# Altium PCB STM32F7_CoreBoard.PcbDoc (part 5 of 8)
Units mm, origin at the board's own origin, x right, y up, seen from the top; angles counter-clockwise.
Board outline 65 x 50 mm, 6 copper layers (L1, L2, L3, L4, L5, L6), stack 1.597 mm thick; 114 components, 192 nets, 736 pads, 791 vias.
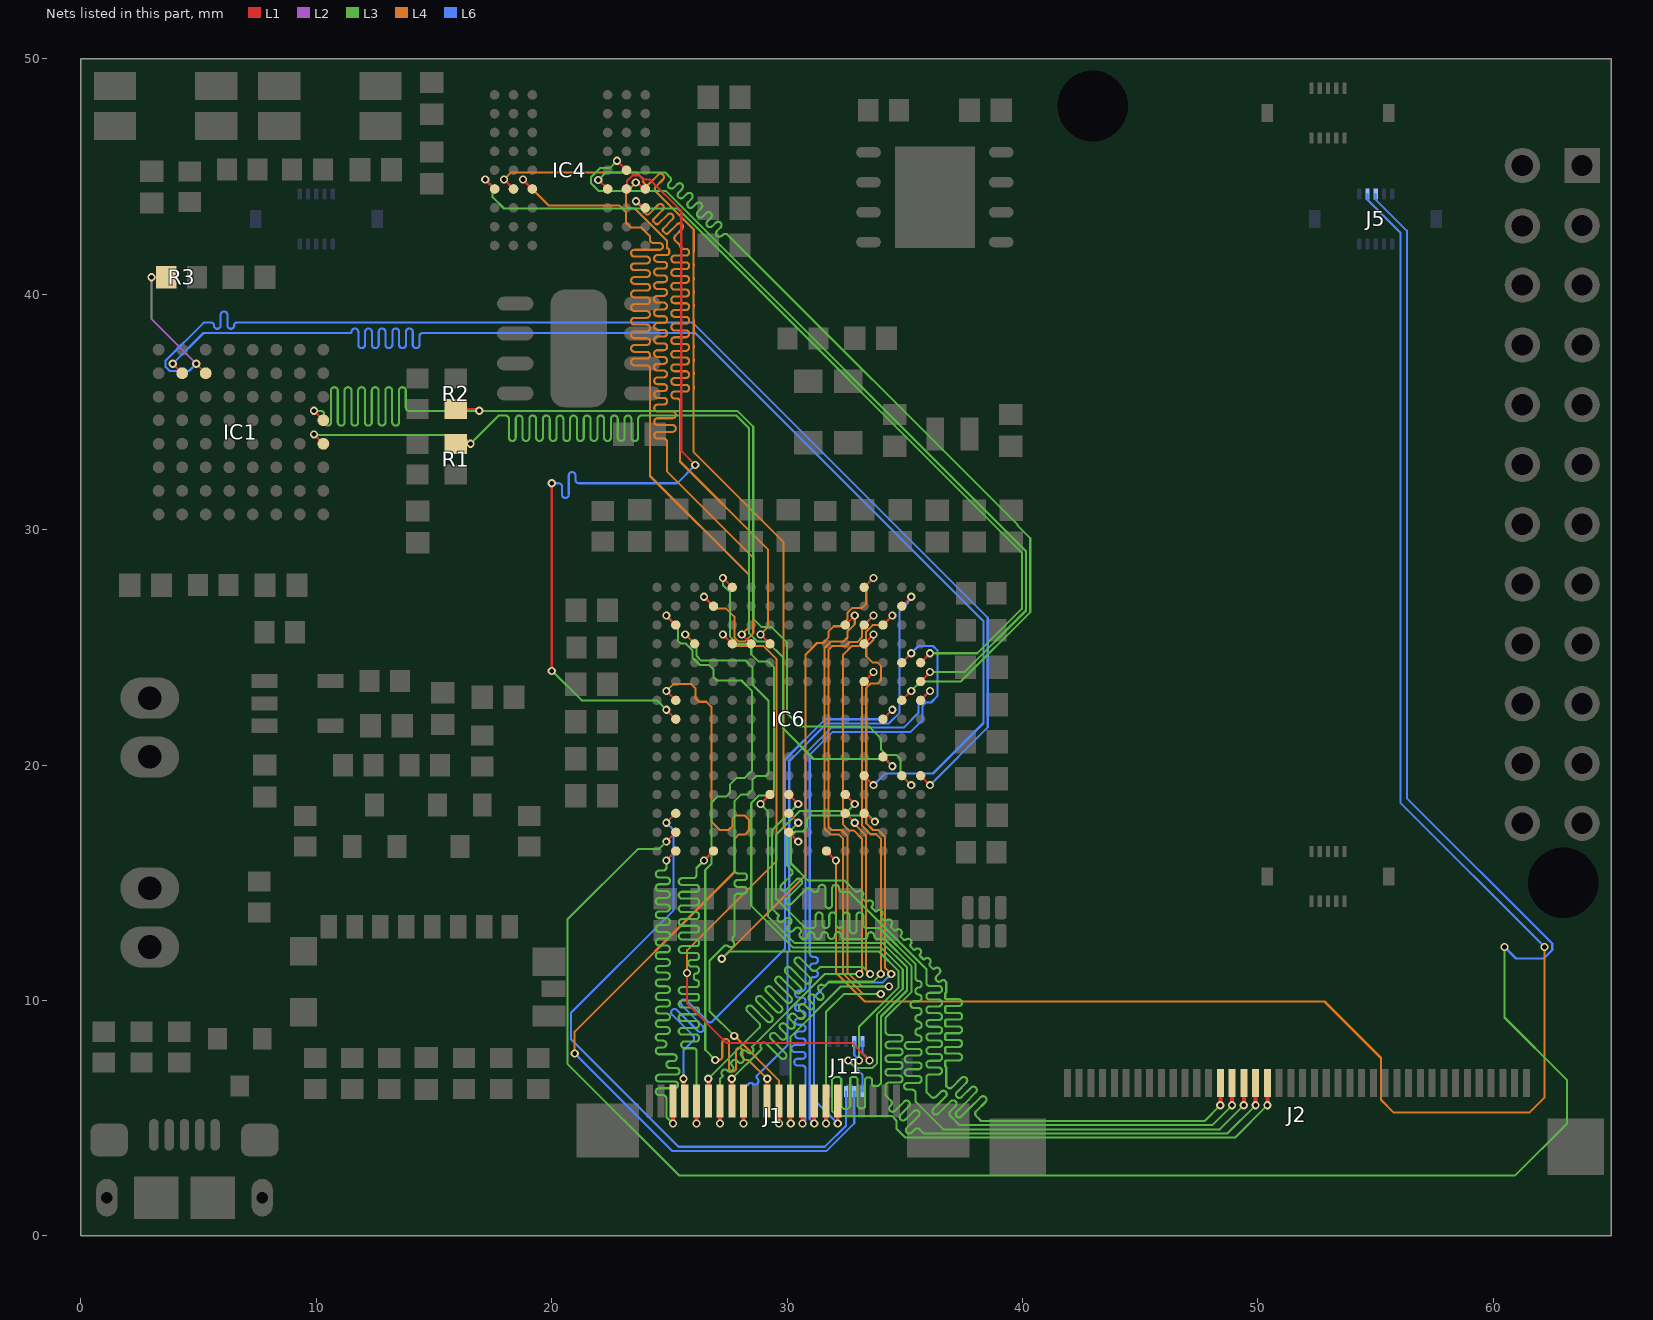
[diagram p9: the nets of this part, all layers, seen from the top]

## Via types
v1: diameter 0.35, hole 0.2, L1 to L6, tented both sides, 737 vias
v2: diameter 0.5, hole 0.25, L1 to L6, tented both sides, 20 vias
v3: diameter 0.4, hole 0.2, L1 to L6, tented both sides, 16 vias
v4: diameter 0.5, hole 0.2, L1 to L6, 12 vias
v5: diameter 0.5, hole 0.5, L1 to L6, 4 vias
v6: diameter 0.6, hole 0.3, L1 to L6, tented both sides, 2 vias

## Nets (pads, with @x,y where several pads share a name; then routed paths per layer and width w, separated by ;. In a path a pad name is that pad's centre, name@x,y a point inside that pad or via, vN(x,y) a via of type N, cw(c..) or ccw(c..) an arc to the next point about the centre after c; other vN are vias at no path point) (continued)
DCMI_D1: IC6.P15 J1.3 | length 29.7
  L1 w0.089: v1(24.87,15.952) IC6.P15@25.27,16.352
  L1 w0.169: v1(25.15,4.775) J1.3@25.15,5.725
  L3 w0.089: v1(24.87,15.952) 24.87,15.807 24.87,15.663 cw(c24.726,15.663) 24.726,15.518 24.564,15.518 ccw(c24.564,15.374) 24.419,15.374 ccw(c24.564,15.374) 24.564,15.229 24.87,15.229 24.878,15.229 cw(c24.878,15.085) 25.022,15.085 cw(c24.878,15.085) 24.878,14.941 24.87,14.941 24.564,14.941 ccw(c24.564,14.796) 24.419,14.796 ccw(c24.564,14.796) 24.564,14.652 24.87,14.652 24.878,14.652 cw(c24.878,14.507) 25.022,14.507 cw(c24.878,14.507) 24.878,14.363 24.87,14.363 24.564,14.363 ccw(c24.564,14.218) 24.419,14.218 ccw(c24.564,14.218) 24.564,14.074 24.87,14.074 24.878,14.074 cw(c24.878,13.929) 25.022,13.929 cw(c24.878,13.929) 24.878,13.785 24.87,13.785 24.564,13.785 ccw(c24.564,13.64) 24.419,13.64 ccw(c24.564,13.64) 24.564,13.496 24.87,13.496 24.878,13.496 cw(c24.878,13.352) 25.022,13.352 cw(c24.878,13.352) 24.878,13.207 24.87,13.207 24.564,13.207 ccw(c24.564,13.063) 24.419,13.063 ccw(c24.564,13.063) 24.564,12.918 24.87,12.918 24.878,12.918 cw(c24.878,12.774) 25.022,12.774 cw(c24.878,12.774) 24.878,12.629 24.87,12.629 24.564,12.629 ccw(c24.564,12.485) 24.419,12.485 ccw(c24.564,12.485) 24.564,12.34 24.87,12.34 24.878,12.34 cw(c24.878,12.196) 25.022,12.196 cw(c24.878,12.196) 24.878,12.052 24.87,12.052 24.564,12.052 ccw(c24.564,11.907) 24.419,11.907 ccw(c24.564,11.907) 24.564,11.763 24.87,11.763 24.878,11.763 cw(c24.878,11.618) 25.022,11.618 cw(c24.878,11.618) 24.878,11.474 24.87,11.474 24.564,11.474 ccw(c24.564,11.329) 24.419,11.329 ccw(c24.564,11.329) 24.564,11.185 24.87,11.185 24.878,11.185 cw(c24.878,11.04) 25.022,11.04 cw(c24.878,11.04) 24.878,10.896 24.87,10.896 24.564,10.896 ccw(c24.564,10.752) 24.419,10.752 ccw(c24.564,10.752) 24.564,10.607 24.87,10.607 24.878,10.607 cw(c24.878,10.463) 25.022,10.463 cw(c24.878,10.463) 24.878,10.318 24.87,10.318 24.564,10.318 ccw(c24.564,10.174) 24.419,10.174 ccw(c24.564,10.174) 24.564,10.029 24.87,10.029 24.878,10.029 cw(c24.878,9.885) 25.022,9.885 cw(c24.878,9.885) 24.878,9.74 24.87,9.74 24.564,9.74 ccw(c24.564,9.596) 24.419,9.596 ccw(c24.564,9.596) 24.564,9.451 24.87,9.451 24.878,9.451 cw(c24.878,9.307) 25.022,9.307 cw(c24.878,9.307) 24.878,9.163 24.87,9.163 24.564,9.163 ccw(c24.564,9.018) 24.419,9.018 ccw(c24.564,9.018) 24.564,8.874 24.87,8.874 24.878,8.874 cw(c24.878,8.729) 25.022,8.729 cw(c24.878,8.729) 24.878,8.585 24.87,8.585 24.564,8.585 ccw(c24.564,8.44) 24.419,8.44 ccw(c24.564,8.44) 24.564,8.296 24.726,8.296 cw(c24.726,8.151) 24.87,8.151 cw(c24.726,8.151) 24.726,8.007 24.564,8.007 ccw(c24.564,7.863) 24.419,7.863 ccw(c24.564,7.863) 24.564,7.718 24.87,7.718 25.165,7.718 cw(c25.165,7.574) 25.309,7.574 cw(c25.165,7.574) 25.165,7.429 25.015,7.429 ccw(c25.015,7.285) 24.87,7.285 ccw(c25.015,7.285) 25.015,7.14 25.281,7.14 cw(c25.281,6.996) 25.425,6.996 cw(c25.281,6.996) 25.281,6.851 24.87,6.851 24.564,6.851 ccw(c24.564,6.707) 24.419,6.707 ccw(c24.564,6.707) 24.564,6.562 24.87,6.562 25.227,6.562 cw(c25.227,6.418) 25.372,6.418 cw(c25.227,6.418) 25.227,6.274 24.87,6.274 24.564,6.274 ccw(c24.564,6.129) 24.419,6.129 ccw(c24.564,6.129) 24.564,5.985 24.726,5.985 cw(c24.726,5.84) 24.87,5.84 24.87,5.75 24.87,5.055 v1(25.15,4.775)
DCMI_D2: IC6.C8 J1.4 | length 28
  L1 w0.089: IC6.C8@34.07,21.952 v1(34.47,22.352)
  L1 w0.169: v1(25.6,6.675) 25.6,5.775 J1.4@25.65,5.725
  L6 w0.089: v1(25.6,6.675) 25.6,7.889 25.702,7.991 25.906,8.195 26.009,8.297 ccw(c25.906,8.4) 26.009,8.502 25.114,9.397 cw(c25.216,9.499) 25.114,9.601 cw(c25.216,9.499) 25.318,9.601 26.213,8.706 ccw(c26.315,8.808) 26.417,8.706 ccw(c26.315,8.808) 26.417,8.91 25.522,9.805 cw(c25.624,9.907) 25.522,10.009 cw(c25.624,9.907) 25.727,10.009 26.621,9.115 ccw(c26.724,9.217) 26.826,9.115 26.928,9.217 27.118,9.407 29.91,12.199 29.91,20.24 31.62,21.95 34.067,21.95 v1(34.47,22.352)
DCMI_D3: IC6.M15 J1.5 | length 29.8
  L1 w0.089: v1(26.47,15.952) IC6.M15@26.87,16.352
  L1 w0.169: v1(26.15,4.775) J1.5@26.15,5.725
  L3 w0.089: v1(26.15,4.775) 26.15,7.85 ccw(c26.024,7.85) 26.024,7.976 25.643,7.976 cw(c25.643,8.12) 25.498,8.12 cw(c25.643,8.12) 25.643,8.265 26.15,8.265 ccw(c26.15,8.362) 26.247,8.362 26.247,8.456 ccw(c26.15,8.456) 26.15,8.553 25.539,8.553 cw(c25.539,8.698) 25.394,8.698 cw(c25.539,8.698) 25.539,8.842 26.15,8.842 ccw(c26.15,8.94) 26.247,8.94 26.247,9.034 ccw(c26.15,9.034) 26.15,9.131 25.539,9.131 cw(c25.539,9.276) 25.394,9.276 cw(c25.539,9.276) 25.539,9.42 26.15,9.42 ccw(c26.15,9.517) 26.247,9.517 26.247,9.612 ccw(c26.15,9.612) 26.15,9.709 25.539,9.709 cw(c25.539,9.854) 25.394,9.854 cw(c25.539,9.854) 25.539,9.998 26.15,9.998 ccw(c26.15,10.095) 26.247,10.095 26.247,10.19 ccw(c26.15,10.19) 26.15,10.287 25.539,10.287 cw(c25.539,10.431) 25.394,10.431 cw(c25.539,10.431) 25.539,10.576 26.15,10.576 ccw(c26.15,10.673) 26.247,10.673 26.247,10.767 ccw(c26.15,10.767) 26.15,10.865 cw(c26.15,10.979) 26.036,10.979 26.036,11.04 cw(c26.15,11.04) 26.15,11.154 ccw(c26.15,11.251) 26.247,11.251 26.247,11.345 ccw(c26.15,11.345) 26.15,11.442 25.938,11.442 cw(c25.938,11.587) 25.793,11.587 cw(c25.938,11.587) 25.938,11.731 26.15,11.731 ccw(c26.15,11.829) 26.247,11.829 26.247,11.923 ccw(c26.15,11.923) 26.15,12.02 25.539,12.02 cw(c25.539,12.165) 25.394,12.165 cw(c25.539,12.165) 25.539,12.309 26.15,12.309 ccw(c26.15,12.406) 26.247,12.406 26.247,12.501 ccw(c26.15,12.501) 26.15,12.598 25.539,12.598 cw(c25.539,12.743) 25.394,12.743 cw(c25.539,12.743) 25.539,12.887 26.15,12.887 ccw(c26.15,12.984) 26.247,12.984 26.247,13.079 ccw(c26.15,13.079) 26.15,13.176 25.539,13.176 cw(c25.539,13.32) 25.394,13.32 cw(c25.539,13.32) 25.539,13.465 26.15,13.465 ccw(c26.15,13.562) 26.247,13.562 26.247,13.656 ccw(c26.15,13.656) 26.15,13.754 25.539,13.754 cw(c25.539,13.898) 25.394,13.898 cw(c25.539,13.898) 25.539,14.043 26.15,14.043 ccw(c26.15,14.14) 26.247,14.14 26.247,14.234 ccw(c26.15,14.234) 26.15,14.331 25.539,14.331 cw(c25.539,14.476) 25.394,14.476 cw(c25.539,14.476) 25.539,14.62 26.15,14.62 ccw(c26.15,14.718) 26.247,14.718 26.247,14.812 ccw(c26.15,14.812) 26.15,14.909 25.539,14.909 cw(c25.539,15.054) 25.394,15.054 cw(c25.539,15.054) 25.539,15.198 26.006,15.198 ccw(c26.006,15.343) 26.15,15.343 26.15,15.487 26.15,15.632 v1(26.47,15.952)
DCMI_D4: IC6.E13 J1.6 | length 29.4
  L1 w0.089: IC6.E13@32.47,17.952 v1(32.87,17.552)
  L1 w0.169: J1.6@26.65,5.725 v1(26.65,6.675)
  L3 w0.089: v1(26.65,6.675) 28.812,8.837 ccw(c28.71,8.94) 28.812,9.042 28.311,9.544 cw(c28.413,9.646) 28.311,9.748 cw(c28.413,9.646) 28.515,9.748 29.119,9.144 29.141,9.122 ccw(c29.243,9.224) 29.345,9.122 ccw(c29.243,9.224) 29.345,9.326 29.323,9.348 28.72,9.952 cw(c28.822,10.054) 28.72,10.157 cw(c28.822,10.054) 28.924,10.157 29.528,9.553 29.55,9.531 ccw(c29.652,9.633) 29.754,9.531 ccw(c29.652,9.633) 29.754,9.735 29.732,9.757 29.128,10.361 cw(c29.23,10.463) 29.128,10.565 cw(c29.23,10.463) 29.333,10.565 29.936,9.961 29.958,9.939 ccw(c30.061,10.042) 30.163,9.939 ccw(c30.061,10.042) 30.163,10.144 30.141,10.166 29.537,10.77 cw(c29.639,10.872) 29.537,10.974 cw(c29.639,10.872) 29.741,10.974 30.345,10.37 30.367,10.348 ccw(c30.469,10.45) 30.572,10.348 ccw(c30.469,10.45) 30.572,10.552 30.549,10.574 29.946,11.178 cw(c30.048,11.281) 29.946,11.383 cw(c30.048,11.281) 30.15,11.383 30.754,10.779 30.776,10.757 ccw(c30.878,10.859) 30.98,10.757 ccw(c30.878,10.859) 30.98,10.961 30.958,10.983 30.354,11.587 cw(c30.457,11.689) 30.354,11.791 cw(c30.457,11.689) 30.559,11.791 31.06,11.29 ccw(c31.163,11.392) 31.265,11.29 31.367,11.392 31.409,11.434 32.534,11.434 33.216,11.434 v1(33.525,11.125)
  L4 w0.089: v1(32.87,17.552) 32.87,17.486 33.356,17 33.356,11.294 v1(33.525,11.125)
DCMI_D5: IC6.C3 J1.7 | length 29.5
  L1 w0.089: IC6.C3@34.07,25.953 v1(34.47,26.353)
  L1 w0.169: v1(27.15,4.775) J1.7@27.15,5.725
  L3 w0.089: v1(27.15,4.775) 27.15,6.675 27.175,6.7 27.255,6.78 ccw(c27.233,6.802) 27.255,6.824 cw(c27.357,6.926) 27.255,7.029 cw(c27.357,6.926) 27.459,7.029 27.482,7.007 ccw(c27.561,7.086) 27.64,7.007 27.686,7.053 ccw(c27.607,7.132) 27.686,7.211 27.664,7.233 cw(c27.766,7.335) 27.664,7.437 cw(c27.766,7.335) 27.868,7.437 27.89,7.415 27.912,7.393 ccw(c28.014,7.495) 28.117,7.393 ccw(c28.014,7.495) 28.117,7.598 28.095,7.62 28.073,7.642 cw(c28.175,7.744) 28.073,7.846 cw(c28.175,7.744) 28.277,7.846 28.299,7.824 28.321,7.802 ccw(c28.423,7.904) 28.525,7.802 ccw(c28.423,7.904) 28.525,8.006 cw(c28.547,8.028) 28.525,8.05 28.562,8.087 31.601,11.126 v1(33.077,11.126)
  L4 w0.089: v1(33.077,11.126) 33.179,11.227 33.179,16.88 32.83,17.228 32.622,17.228 32.379,17.471 32.379,24.697 32.742,25.061 33.066,25.061 33.356,25.351 33.356,25.675 33.629,25.947 34.064,25.947 v1(34.47,26.353)
DCMI_D6: IC6.D6 J1.8 | length 29.4
  L1 w0.089: IC6.D6@33.27,23.553 v1(33.67,23.953)
  L1 w0.169: J1.8@27.65,5.725 v1(27.65,6.675)
  L3 w0.089: v1(27.65,6.675) 28.825,7.85 28.905,7.93 ccw(c28.883,7.952) 28.905,7.974 cw(c29.007,8.076) 28.905,8.179 cw(c29.007,8.076) 29.109,8.179 29.132,8.157 29.725,7.563 ccw(c29.828,7.665) 29.93,7.563 ccw(c29.828,7.665) 29.93,7.767 29.336,8.361 29.314,8.383 cw(c29.416,8.485) 29.314,8.587 cw(c29.416,8.485) 29.518,8.587 29.54,8.565 29.726,8.379 ccw(c29.828,8.482) 29.93,8.379 ccw(c29.828,8.482) 29.93,8.584 29.745,8.77 29.723,8.792 cw(c29.825,8.894) 29.723,8.996 cw(c29.825,8.894) 29.927,8.996 29.949,8.974 30.078,8.845 ccw(c30.18,8.947) 30.282,8.845 ccw(c30.18,8.947) 30.282,9.049 30.153,9.178 30.131,9.2 cw(c30.233,9.303) 30.131,9.405 cw(c30.233,9.303) 30.336,9.405 30.358,9.383 30.487,9.254 ccw(c30.589,9.356) 30.691,9.254 ccw(c30.589,9.356) 30.691,9.458 30.562,9.587 30.54,9.609 cw(c30.642,9.711) 30.54,9.813 cw(c30.642,9.711) 30.744,9.813 30.766,9.791 30.895,9.662 ccw(c30.998,9.765) 31.1,9.662 ccw(c30.998,9.765) 31.1,9.867 30.971,9.996 30.949,10.018 cw(c31.051,10.12) 30.949,10.222 cw(c31.051,10.12) 31.153,10.222 31.175,10.2 31.304,10.071 ccw(c31.406,10.173) 31.508,10.071 ccw(c31.406,10.173) 31.508,10.275 31.379,10.404 31.357,10.426 cw(c31.46,10.529) 31.357,10.631 cw(c31.46,10.529) 31.562,10.631 ccw(c31.584,10.653) 31.606,10.631 31.775,10.8 33.65,10.8 v1(33.975,11.125)
  L4 w0.089: v1(33.67,23.953) 33.184,23.466 33.184,17.424 33.542,17.066 33.792,17.066 33.979,16.88 33.979,11.129 v1(33.975,11.125)
DCMI_D7: IC6.B2 J1.9 | length 28.7
  L1 w0.089: IC6.B2@34.87,26.753 v1(35.27,27.153)
  L1 w0.169: v1(28.15,4.775) J1.9@28.15,5.725
  L6 w0.089: v1(28.15,4.775) 28.15,6.244 28.252,6.346 28.381,6.474 cw(c28.456,6.399) 28.532,6.474 ccw(c28.634,6.576) 28.736,6.474 ccw(c28.634,6.576) 28.736,6.679 cw(c28.812,6.754) 28.736,6.83 28.865,6.959 28.956,7.05 30.02,8.113 30.02,12.057 30.088,12.125 30.088,20.166 31.693,21.772 34.326,21.772 34.779,22.225 34.779,26.549 35.14,26.91 35.14,26.952 35.27,27.082 v1(35.27,27.153)
DCMI_HSYNC: IC6.N4 J1.12 | length 29.5
  L1 w0.089: v1(25.67,25.553) IC6.N4@26.07,25.153
  L1 w0.169: v1(29.65,4.775) J1.12@29.65,5.725
  L3 w0.089: v1(25.67,25.553) 26.156,25.067 26.156,24.635 26.353,24.439 28.249,24.439 28.525,24.162 28.525,23.425 29.207,22.743 29.207,19.638 29.103,19.534 28.684,19.534 28.525,19.375 28.525,18.95 28.324,18.749 28.031,18.749 27.756,18.474 27.756,15.55 ccw(c27.901,15.55) 27.901,15.406 28.153,15.406 cw(c28.153,15.261) 28.297,15.261 cw(c28.153,15.261) 28.153,15.117 27.901,15.117 ccw(c27.901,14.972) 27.756,14.972 ccw(c27.901,14.972) 27.901,14.828 28.153,14.828 cw(c28.153,14.683) 28.297,14.683 cw(c28.153,14.683) 28.153,14.539 27.901,14.539 ccw(c27.901,14.394) 27.756,14.394 27.756,14.25 27.756,14.05 27.756,13.906 27.756,13.725 27.756,12.975 27.756,12.745 27.718,12.707 27.713,12.701 ccw(c27.81,12.604) 27.713,12.508 cw(c27.611,12.406) 27.713,12.303 cw(c27.611,12.406) 27.509,12.303 ccw(c27.412,12.207) 27.315,12.303 27.306,12.294 26.7,11.688 26.7,9.55 v1(27.75,8.5)
  L4 w0.089: v1@27.761,8.5 29.65,6.611 v1(29.65,4.775)
DCMI_NRST: IC6.E3 J1.16 | length 27.5
  L1 w0.089: IC6.E3@32.47,25.953 v1(32.87,26.353)
  L1 w0.169: v1(31.65,4.775) J1.16@31.65,5.725
  L3 w0.089: v1(31.65,4.775) 31.65,9.525 32.4,10.275 32.675,10.275 v1(33.975,10.275)
  L4 w0.089: v1(32.87,26.353) 32.87,25.989 32.562,25.681 32.562,25.422 32.384,25.244 31.855,25.244 31.584,24.974 31.584,17.301 31.825,17.06 32.198,17.06 32.379,16.88 32.379,11.136 33.24,10.275 v1(33.975,10.275)
DCMI_PIXCK: IC6.P3 J1.11 | length 30.1
  L1 w0.089: v1(24.87,26.353) IC6.P3@25.27,25.953
  L1 w0.169: J1.11@29.15,5.725 v1(29.15,6.675)
  L3 w0.089: v1(24.87,26.353) 25.356,25.867 25.356,25.288 25.47,25.175 25.684,25.175 25.979,24.88 25.979,24.561 26.279,24.261 26.676,24.261 26.875,24.062 26.875,23.733 27.012,23.596 28.063,23.596 28.515,23.144 28.515,19.771 28.205,19.46 27.854,19.46 27.579,19.185 27.579,18.829 27.413,18.663 27.033,18.663 26.784,18.414 26.784,15.809 26.522,15.547 26.522,13.8 26.522,7.903 v1(26.95,7.475)
  L4 w0.089: v1(26.95,7.475) 27.1,7.475 ccw(c27.1,7.619) 27.244,7.619 27.244,8.227 cw(c27.389,8.227) 27.389,8.371 cw(c27.389,8.227) 27.533,8.227 27.533,7.475 27.533,7.127 ccw(c27.678,7.127) 27.678,6.982 ccw(c27.678,7.127) 27.822,7.127 27.822,7.475 27.822,7.839 cw(c27.967,7.839) 27.967,7.983 cw(c27.967,7.839) 28.111,7.839 28.111,7.619 ccw(c28.256,7.619) 28.256,7.475 28.275,7.475 28.35,7.475 v1(29.15,6.675)
DCMI_PWREN: IC6.D4 J1.17 | length 26.9
  L1 w0.089: IC6.D4@33.27,25.153 v1(33.67,25.553)
  L1 w0.169: v1(32.15,4.775) J1.17@32.15,5.725
  L4 w0.089: v1(33.67,25.553) 33.67,25.327 33.362,25.019 33.362,24.625 33.634,24.353 33.841,24.353 33.979,24.215 33.979,23.604 33.836,23.461 33.542,23.461 33.362,23.28 33.362,17.53 33.648,17.243 33.866,17.243 34.156,16.953 34.156,11.394 v1(34.425,11.125)
  L6 w0.089: v1(32.15,4.775) 31.14,5.785 31.14,10.15 31.765,10.775 34.064,10.775 34.414,11.125 v1(34.425,11.125)
DCMI_SCK: IC6.A7 J1.14 | length 28.2
  L1 w0.089: IC6.A7@35.67,22.752 v1(36.07,23.152)
  L1 w0.169: v1(30.65,4.775) J1.14@30.65,5.725
  L6 w0.089: v1(30.65,4.775) 30.784,4.909 30.784,6.71 30.784,6.95 30.784,7.094 ccw(c30.64,7.094) 30.64,7.239 30.443,7.239 cw(c30.443,7.383) 30.298,7.383 cw(c30.443,7.383) 30.443,7.528 30.64,7.528 ccw(c30.64,7.672) 30.784,7.672 ccw(c30.64,7.672) 30.64,7.817 30.323,7.817 cw(c30.323,7.961) 30.179,7.961 cw(c30.323,7.961) 30.323,8.105 30.64,8.105 ccw(c30.64,8.25) 30.784,8.25 ccw(c30.64,8.25) 30.64,8.394 30.484,8.394 cw(c30.484,8.539) 30.34,8.539 cw(c30.484,8.539) 30.484,8.683 30.64,8.683 ccw(c30.64,8.828) 30.784,8.828 ccw(c30.64,8.828) 30.64,8.972 30.484,8.972 cw(c30.484,9.117) 30.34,9.117 cw(c30.484,9.117) 30.484,9.261 30.64,9.261 ccw(c30.64,9.406) 30.784,9.406 ccw(c30.64,9.406) 30.64,9.55 30.484,9.55 cw(c30.484,9.694) 30.34,9.694 cw(c30.484,9.694) 30.484,9.839 30.64,9.839 ccw(c30.64,9.983) 30.784,9.983 ccw(c30.64,9.983) 30.64,10.128 30.484,10.128 cw(c30.484,10.272) 30.34,10.272 cw(c30.484,10.272) 30.484,10.417 30.64,10.417 ccw(c30.64,10.561) 30.784,10.561 30.784,10.706 30.784,10.85 30.784,20.509 31.869,21.594 34.948,21.594 35.579,22.225 35.579,22.661 v1(36.07,23.152)
DCMI_SDA: IC6.B5 J1.15 | length 28.2
  L1 w0.089: IC6.B5@34.87,24.353 v1(35.27,24.753)
  L1 w0.169: v1(31.15,4.775) J1.15@31.15,5.725
  L6 w0.089: v1(31.15,4.775) 30.962,4.963 30.962,10.557 30.962,10.702 30.962,10.846 cw(c31.106,10.846) 31.106,10.991 31.161,10.991 ccw(c31.161,11.135) 31.306,11.135 ccw(c31.161,11.135) 31.161,11.28 31.106,11.28 cw(c31.106,11.424) 30.962,11.424 cw(c31.106,11.424) 31.106,11.568 31.161,11.568 ccw(c31.161,11.713) 31.306,11.713 ccw(c31.161,11.713) 31.161,11.857 31.106,11.857 cw(c31.106,12.002) 30.962,12.002 30.962,12.146 30.962,12.28 30.962,20.435 31.943,21.416 35.244,21.416 35.756,21.928 35.756,22.533 35.885,22.661 36.109,22.661 36.379,22.931 36.379,24.88 36.198,25.061 35.579,25.061 v1(35.27,24.753)
DCMI_VSYNC: IC6.D3 J1.13 | length 29.3
  L1 w0.089: IC6.D3@33.27,25.953 v1(33.67,26.353)
  L1 w0.169: v1(30.15,4.775) J1.13@30.15,5.725
  L3 w0.089: v1(30.15,4.775) 30.15,8.461 32.289,10.6 v1(34.325,10.6)
  L4 w0.089: v1(33.67,26.353) 33.651,26.353 33.179,25.88 33.179,25.425 32.992,25.239 32.669,25.239 32.491,25.061 31.923,25.061 31.762,24.9 31.762,17.375 31.893,17.244 32.306,17.244 32.556,16.994 32.556,11.21 33.166,10.6 v1(34.325,10.6)
EXP_GPIO0: IC6.L1 J11.1 | length 31.5
  L1 w0.089: v1(27.27,27.953) IC6.L1@27.67,27.553
  L3 w0.089: v1(27.27,27.953) 27.27,27.655 27.579,27.346 27.579,25.456 27.882,25.153 28.319,25.153 28.475,24.997 28.475,24.712 28.791,24.396 29.207,24.396 29.45,24.154 29.45,18.925 29.234,18.709 28.791,18.709 28.475,18.393 28.475,14.029 30.243,12.261 33.976,12.261 34.911,11.326 34.911,10.499 33.808,9.396 33.808,7.322 33.628,7.142 32.908,7.142 v1(32.6,7.45)
  L6 w0.089: v1(32.6,7.45) 33.2,6.85 J11.1@33.2,6.14
EXP_GPIO1: IC6.L4 J11.2 | length 29.2
  L1 w0.089: v1(25.75,11.175) 25.75,9.875 27.433,8.192 32.758,8.192 v1(33.5,7.45) ; v1(27.27,25.553) IC6.L4@27.67,25.153
  L4 w0.089: v1(25.75,11.175) 25.75,12.144 29.553,15.947 29.553,24.506 28.992,25.067 27.756,25.067 v1(27.27,25.553)
  L6 w0.089: J11.2@33.2,8.26 33.2,7.75 v1(33.5,7.45)
EXP_GPIO2: IC6.P7 J11.3 | length 39
  L1 w0.089: v1(24.87,23.152) IC6.P7@25.27,22.752
  L4 w0.089: v1(20.975,7.75) 20.975,8.675 27.762,15.462 27.762,16.88 27.942,17.06 28.233,17.06 28.379,17.206 28.379,17.68 28.198,17.86 27.81,17.86 27.67,17.72 27.67,17.403 27.51,17.244 27.142,17.244 26.779,17.607 26.779,22.48 26.567,22.692 26.258,22.692 26.099,22.851 26.099,23.272 25.931,23.44 25.158,23.44 v1(24.87,23.152)
  L6 w0.089: v1(20.975,7.75) 25.111,3.614 31.676,3.614 32.85,4.787 J11.3@32.85,6.14
EXP_GPIO3: IC6.D1 J11.4 | length 33.4
  L1 w0.089: IC6.D1@33.27,27.553 v1(33.67,27.953)
  L3 w0.089: v1(27.225,11.775) 27.533,12.083 33.903,12.083 34.733,11.253 34.733,10.572 33.05,8.889 v1(33.05,7.45)
  L4 w0.089: v1(27.225,11.775) 30.779,15.329 30.779,24.697 31.268,25.186 31.523,25.186 31.762,25.425 31.762,25.681 31.981,25.9 32.25,25.9 32.569,26.219 32.562,26.225 32.562,26.481 32.742,26.661 32.754,26.661 32.754,26.673 33.173,26.673 33.362,26.862 33.362,27.645 v1(33.67,27.953)
  L6 w0.089: J11.4@32.85,8.26 32.85,7.686 33.05,7.486 v1(33.05,7.45)
EXP_GPIO4: IC6.P13 J11.5 | length 27.1
  L1 w0.089: v1(24.87,17.552) IC6.P13@25.27,17.952
  L6 w0.089: v1(24.87,17.552) 25.179,17.244 25.179,13.84 20.817,9.478 20.817,8.358 25.383,3.792 31.603,3.792 32.5,4.689 J11.5@32.5,6.14
EXP_SCL: IC6.F15 J5.8 | length 80.7
  L1 w0.089: IC6.F15@31.67,16.352 v1(32.07,15.952)
  L4 w0.089: v1(32.07,15.952) 32.07,11.193 33.302,9.961 52.825,9.961 55.226,7.56 55.226,5.787 55.772,5.242 61.528,5.242 62.175,5.889 v1(62.175,12.275)
  L6 w0.089: J5.8@54.65,44.26 54.65,44.025 56.05,42.625 56.05,18.4 v1(62.175,12.275)
EXP_SDA: IC6.P14 J5.6 | length 103.8
  L1 w0.089: v1(24.87,16.752) IC6.P14@25.27,17.152
  L3 w0.089: v1(24.87,16.752) 24.562,16.443 23.668,16.443 20.667,13.442 20.667,7.314 25.408,2.572 60.923,2.572 63.131,4.779 63.131,6.619 60.472,9.278 v1(60.472,12.275)
  L6 w0.089: J5.6@55,44.26 55,44.025 56.325,42.7 56.325,18.6 62.5,12.425 62.5,12.15 62.139,11.789 60.958,11.789 v1(60.472,12.275)
FMC_NBL0: IC4.E8 IC6.A6 | length 35.4
  L1 w0.089: v1(22.775,45.675) IC4.E8@23.175,45.275 ; IC6.A6@35.67,23.553 v1(36.07,23.953)
  L3 w0.089: v1(22.775,45.675) 22.461,45.361 22.049,45.361 21.668,44.98 21.668,44.724 22.009,44.383 24.857,44.383 40.147,29.094 40.147,26.571 37.529,23.953 v1(36.07,23.953)
FMC_NBL1: IC4.F1 IC6.A5 | length 37.8
  L1 w0.089: v1(17.175,44.875) IC4.F1@17.575,44.475 ; IC6.A5@35.67,24.353 v1(36.07,24.753)
  L3 w0.089: v1(17.175,44.875) 17.489,44.561 17.489,44.125 17.97,43.644 25.345,43.644 39.969,29.02 39.969,26.644 38.078,24.753 v1(36.07,24.753)
FMC_NE1: IC1.F2 IC6.A11 R3.1 | length 58.4
  L1 w0.089: v1(4.9,37.05) IC1.F2@5.3,36.65 ; IC6.A11@35.67,19.552 v1(36.07,19.152)
  L1 w0.1: v1(3.002,40.725) R3.1@3.625,40.725
  L2 w0.089: v1(3.002,40.725) 3.002,38.948 v1(4.9,37.05)
  L6 w0.089: v1(4.9,37.05) 4.592,36.742 3.772,36.742 3.592,36.922 3.592,37.178 5.214,38.8 5.358,38.8 5.528,38.8 cw(c5.528,38.681) 5.647,38.681 ccw(c5.792,38.681) 5.792,38.536 ccw(c5.792,38.681) 5.936,38.681 5.936,38.8 5.936,39.128 cw(c6.081,39.128) 6.081,39.272 cw(c6.081,39.128) 6.225,39.128 6.225,38.8 6.225,38.681 ccw(c6.37,38.681) 6.37,38.536 ccw(c6.37,38.681) 6.514,38.681 6.514,38.689 cw(c6.625,38.689) 6.625,38.8 25.989,38.8 38.521,26.268 38.521,21.603 v1(36.07,19.152)
FMC_NOE: IC1.G2 IC6.D11 | length 58.3
  L1 w0.089: v1(3.9,37.05) IC1.G2@4.3,36.65 ; IC6.D11@33.27,19.552 v1(33.67,19.152)
  L6 w0.089: v1(3.9,37.05) 5.208,38.358 11.35,38.358 11.45,38.358 ccw(c11.45,38.403) 11.494,38.403 cw(c11.639,38.403) 11.639,38.547 cw(c11.639,38.403) 11.783,38.403 11.783,38.358 11.783,37.858 ccw(c11.928,37.858) 11.928,37.714 ccw(c11.928,37.858) 12.072,37.858 12.072,38.358 12.072,38.403 cw(c12.217,38.403) 12.217,38.547 cw(c12.217,38.403) 12.361,38.403 12.361,38.358 12.361,37.858 ccw(c12.506,37.858) 12.506,37.714 ccw(c12.506,37.858) 12.65,37.858 12.65,38.358 12.65,38.403 cw(c12.794,38.403) 12.794,38.547 cw(c12.794,38.403) 12.939,38.403 12.939,38.358 12.939,37.858 ccw(c13.083,37.858) 13.083,37.714 ccw(c13.083,37.858) 13.228,37.858 13.228,38.358 13.228,38.403 cw(c13.372,38.403) 13.372,38.547 cw(c13.372,38.403) 13.517,38.403 13.517,38.358 13.517,37.858 ccw(c13.661,37.858) 13.661,37.714 ccw(c13.661,37.858) 13.806,37.858 13.806,38.358 13.806,38.403 cw(c13.95,38.403) 13.95,38.547 cw(c13.95,38.403) 14.095,38.403 14.095,38.358 14.095,37.858 ccw(c14.239,37.858) 14.239,37.714 ccw(c14.239,37.858) 14.383,37.858 14.383,38.217 cw(c14.525,38.217) 14.525,38.358 26.101,38.358 38.343,26.116 38.343,21.789 36.198,19.644 34.162,19.644 v1(33.67,19.152)